# Altium PCB PCB_MotherBoard.PcbDoc (part 1 of 4) (continued)
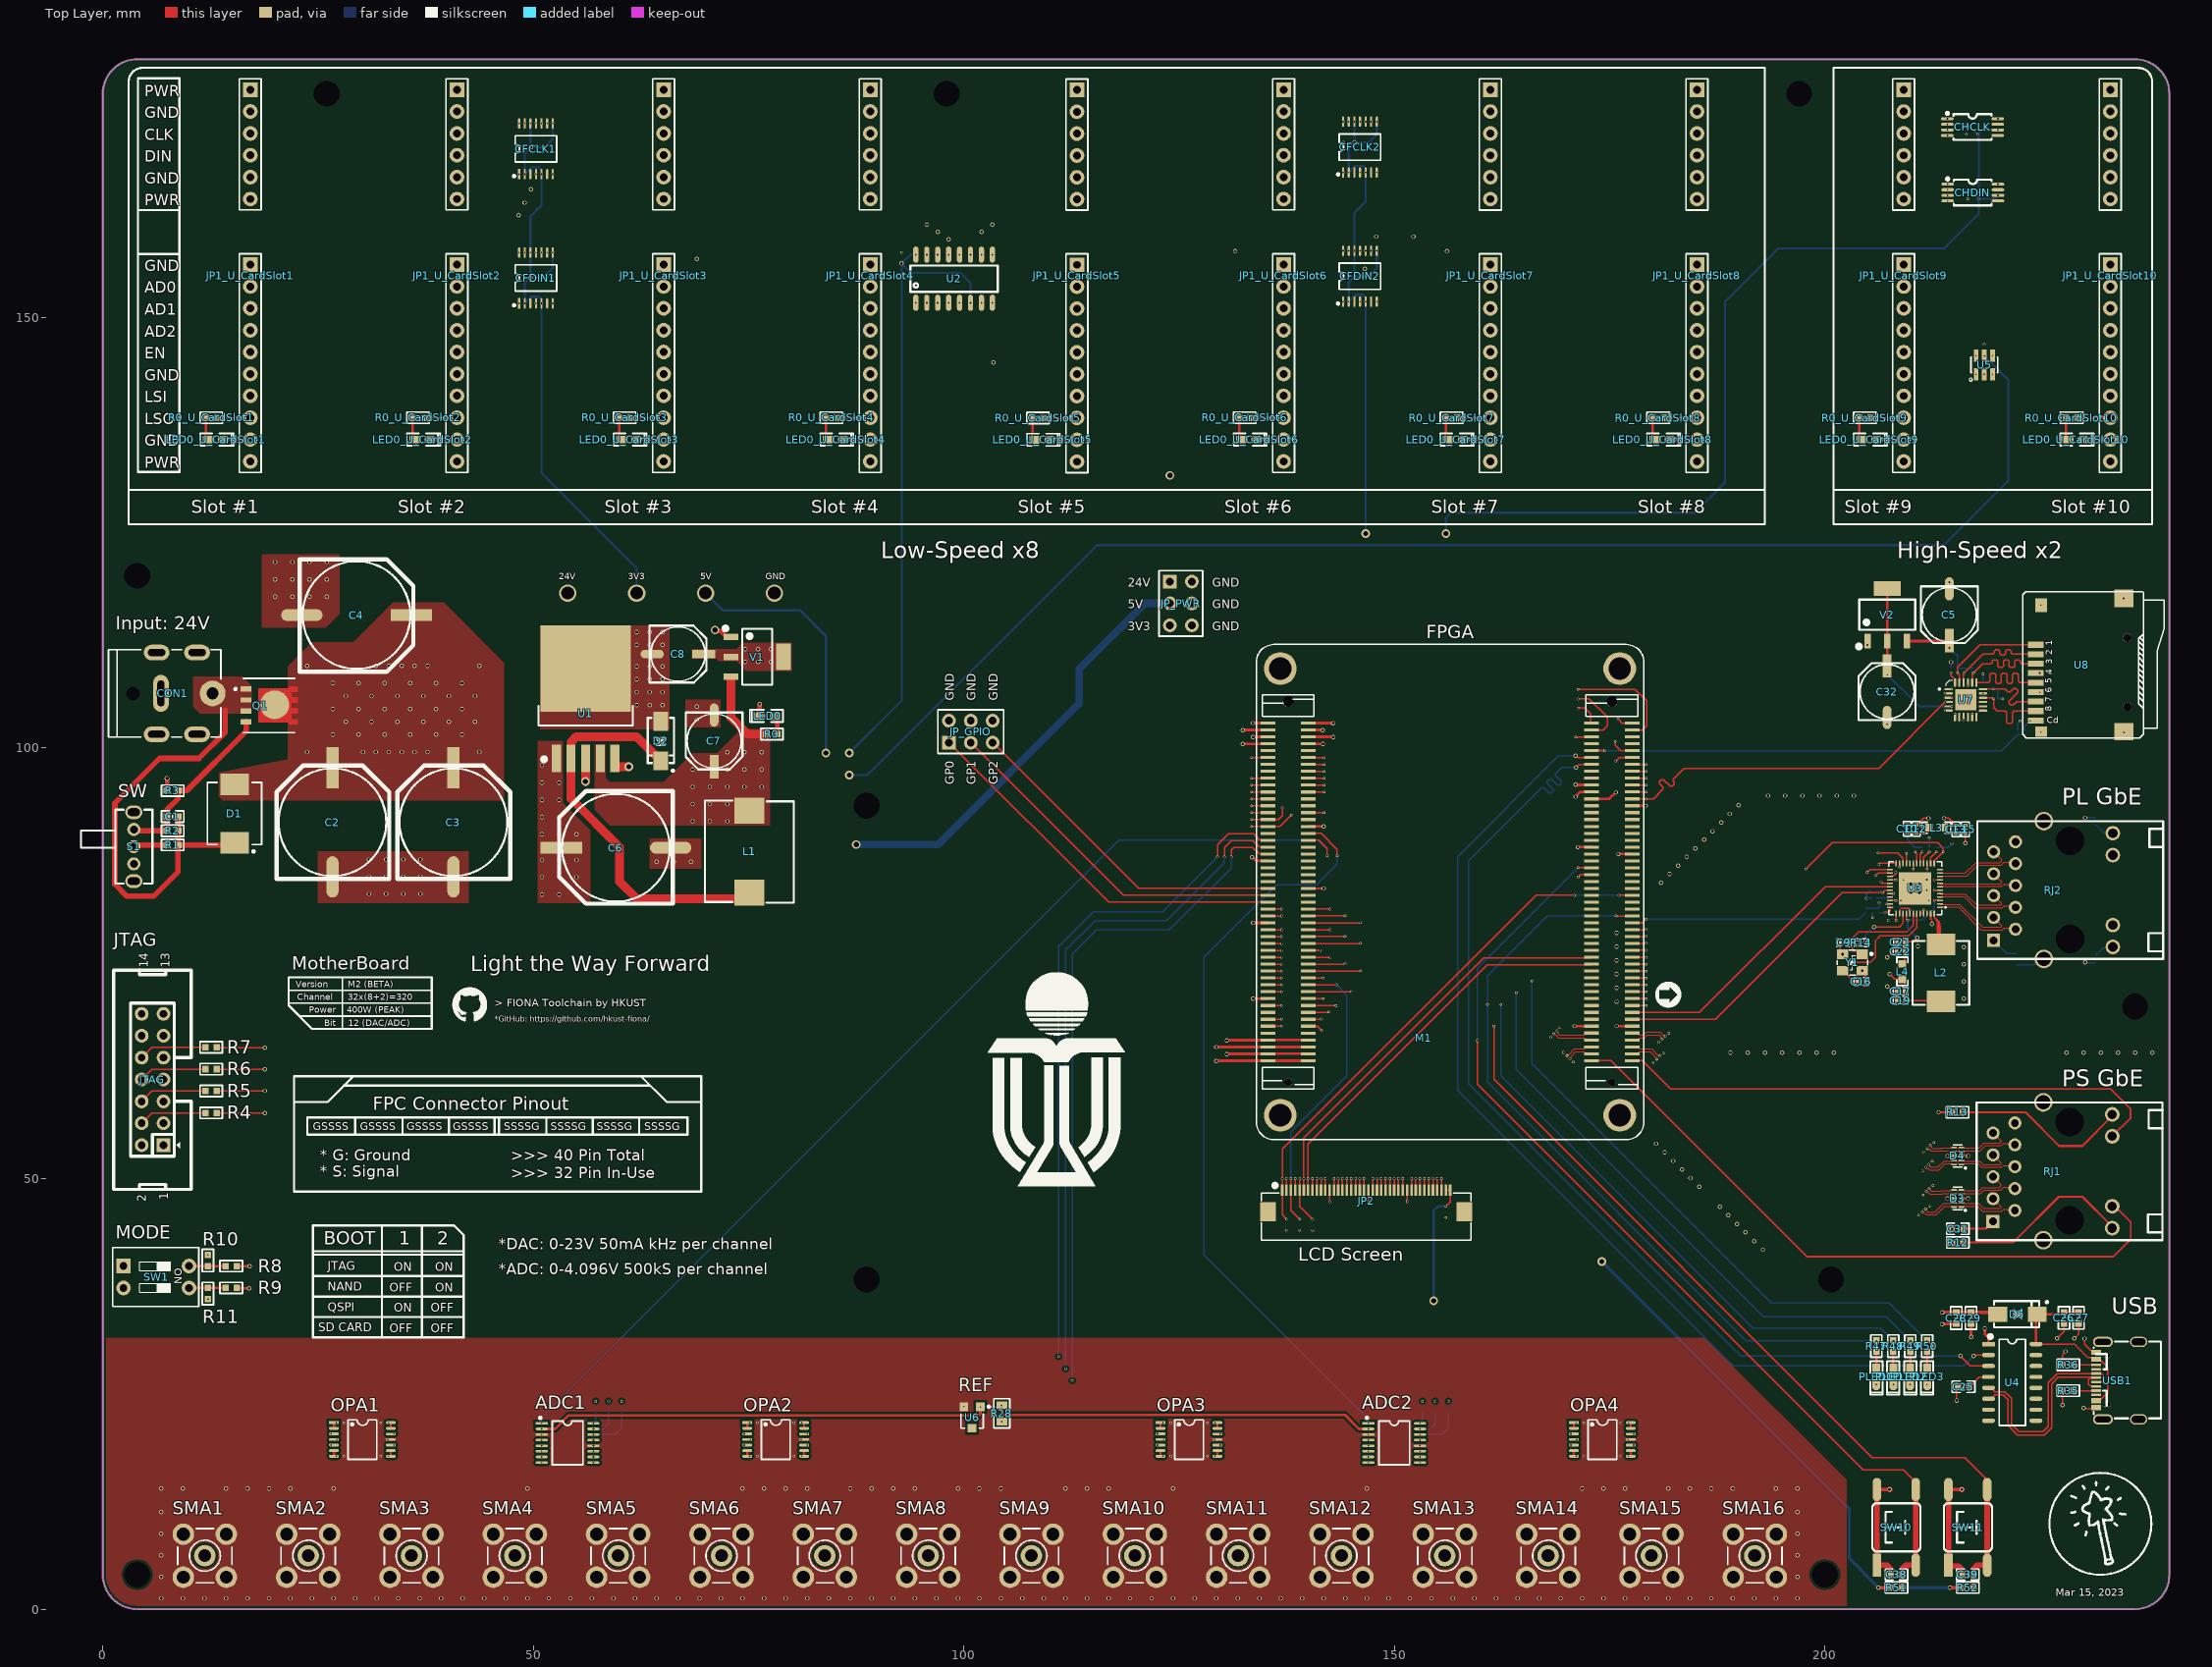
[diagram p0: Top Layer view]
## Classes and differential pairs
net class AIN: AIN1 AIN2 AIN3 AIN4 AIN5 AIN6 AIN7 AIN8
net class JTAG: FPGA_TCK FPGA_TDI FPGA_TDO FPGA_TMS
net class LCD_IIC: IIC_SCL IIC_SDA
net class LCD_BUS: LCD_B0 LCD_B1 LCD_B2 LCD_B3 LCD_B4 LCD_B5 LCD_B6 LCD_B7 LCD_BL LCD_CLK LCD_DE LCD_G0 LCD_G1 LCD_G2 LCD_G3 LCD_G4 LCD_G5 LCD_G6 LCD_G7 LCD_HSYNC LCD_R0 LCD_R1 LCD_R2 LCD_R3 LCD_R4 LCD_R5 LCD_R6 LCD_R7 LCD_RST LCD_VSYNC
net class SDI: SD_CLK SD_CMD SD_D0 SD_D1 SD_D2 SD_D3
net class SDO: SDAT0 SDAT1 SDAT2 SDAT3 SDCLK SDCMD
component class U_SD_Card: C5 C32 C33 C34 C35 R39 R40 R41 R42 R43 R44 R45 R46 U7 U8 V2
component class U_Misc: C38 C39 JP_GPIO JP_PWR PLED0 PLED1 PLED2 PLED3 R47 R48 R49 R50 R51 R52 SW10 SW11
component class U_LCD_Screen: C36 C37 JP2 R37 R38
net class UART: UART1_RXD UART1_TXD
net class PHY2_MDI: PHY2_MDI0_N PHY2_MDI0_P PHY2_MDI1_N PHY2_MDI1_P PHY2_MDI2_N PHY2_MDI2_P PHY2_MDI3_N PHY2_MDI3_P
net class PHY1_MDI: PHY1_MDI0_N PHY1_MDI0_P PHY1_MDI1_N PHY1_MDI1_P PHY1_MDI2_N PHY1_MDI2_P PHY1_MDI3_N PHY1_MDI3_P
net class RGMII_TX: RGMII_TXC RGMII_TXCTL RGMII_TXD0 RGMII_TXD1 RGMII_TXD2 RGMII_TXD3
net class RGMII_RX: RGMII_RXC RGMII_RXCTL RGMII_RXD0 RGMII_RXD1 RGMII_RXD2 RGMII_RXD3
net class HSDIN[9..10]: HSDIN9 HSDIN10
net class HSCLK[9..10]: HSCLK9 HSCLK10
net class LSDIN[1..8]: LSDIN1 LSDIN2 LSDIN3 LSDIN4 LSDIN5 LSDIN6 LSDIN7 LSDIN8
net class LSCLK[1..8]: LSCLK1 LSCLK2 LSCLK3 LSCLK4 LSCLK5 LSCLK6 LSCLK7 LSCLK8
channel class CardSlot: U_CardSlot1 U_CardSlot2 U_CardSlot3 U_CardSlot4 U_CardSlot5 U_CardSlot6 U_CardSlot7 U_CardSlot8 U_CardSlot9 U_CardSlot10
net class LEN[1..8]: LEN1 LEN2 LEN3 LEN4 LEN5 LEN6 LEN7 LEN8
net class HEN[9..10]: HEN9 HEN10
component class U_UART_TypeC: C25 C26 C27 C28 C29 D5 R35 R36 U4 USB1
component class U_PS_RJ45: C31 D3 D4 R12 R13 RJ1
component class U_PL_PHY_RJ45: C9 C10 C11 C12 C13 C14 C15 C16 C17 C18 C19 C20 C21 C22 C23 C30 L2 L3 L4 R14 R15 R16 R17 R18 R19 R20 R21 R22 R23 R24 R25 R26 R27 RJ2 U3 Y1
component class U_LowSpeedSlots_x8: C1LCLK C1LDIN C2LCLK C2LDIN C40 CFCLK1 CFCLK2 CFDIN1 CFDIN2 U2
component class U_HighSpeedSlots_x2: C1HCLK C1HDIN C41 CHCLK CHDIN U5
component class U_FPGA_Core: FPGA JTAG R4 R5 R6 R7 R8 R9 R10 R11 SW1
component class U_CardSlot10: JP1_U_CardSlot10 LED0_U_CardSlot10 R0_U_CardSlot10
component class U_CardSlot9: JP1_U_CardSlot9 LED0_U_CardSlot9 R0_U_CardSlot9
component class U_CardSlot8: JP1_U_CardSlot8 LED0_U_CardSlot8 R0_U_CardSlot8
component class U_CardSlot7: JP1_U_CardSlot7 LED0_U_CardSlot7 R0_U_CardSlot7
component class U_CardSlot6: JP1_U_CardSlot6 LED0_U_CardSlot6 R0_U_CardSlot6
component class U_CardSlot5: JP1_U_CardSlot5 LED0_U_CardSlot5 R0_U_CardSlot5
component class U_CardSlot4: JP1_U_CardSlot4 LED0_U_CardSlot4 R0_U_CardSlot4
component class U_CardSlot3: JP1_U_CardSlot3 LED0_U_CardSlot3 R0_U_CardSlot3
component class U_CardSlot2: JP1_U_CardSlot2 LED0_U_CardSlot2 R0_U_CardSlot2
component class U_CardSlot1: JP1_U_CardSlot1 LED0_U_CardSlot1 R0_U_CardSlot1
component class U_ADC_Array: ADC1 ADC2 C1LP C2LP C3LP C4LP C5LP C6LP C7LP C8LP C9LP C10LP C11LP C12LP C13LP C14LP C15LP C16LP C24 OPA1 OPA2 OPA3 OPA4 R28 R29 R30 R31 R32 R33 R34 SMA1 SMA2 SMA3 SMA4 SMA5 SMA6 SMA7 SMA8 SMA9 SMA10 SMA11 SMA12 SMA13 SMA14 SMA15 SMA16 U6
component class U_24V_Supply: C1 C2 C3 C4 CON1 D1 Q1 R1 R2 R3 S1
component class U_5V_and_3V3: C6 C7 C8 D2 L1 LED0 R0 U1 V1
differential pair USB_DP_90ohm: +CH340_P -CH340_N
differential pair PHY2_MDI3: +PHY2_MDI3_P -PHY2_MDI3_N
differential pair PHY2_MDI2: +PHY2_MDI2_P -PHY2_MDI2_N
differential pair PHY2_MDI1: +PHY2_MDI1_P -PHY2_MDI1_N
differential pair PHY2_MDI0: +PHY2_MDI0_P -PHY2_MDI0_N
differential pair PHY1_MDI3: +PHY1_MDI3_P -PHY1_MDI3_N
differential pair PHY1_MDI2: +PHY1_MDI2_P -PHY1_MDI2_N
differential pair PHY1_MDI1: +PHY1_MDI1_P -PHY1_MDI1_N
differential pair PHY1_MDI0: +PHY1_MDI0_P -PHY1_MDI0_N

## Components (designator, comment, footprint, x,y, rotation, side; value= is the part's Value field where it differs from the comment)
ADC1 "ADC128S102" TSSOP16_N 53.975,19.3 r0 top
ADC2 "ADC128S102" TSSOP16_N 149.975,19.3 r0 top
C1 "1uF" "C 0603_L" 8.1,92.05 r0 top
C1HCLK "105" "C 0603_L" 217.075,171.275 r0 bottom
C1HDIN "105" "C 0603_L" 217.225,163.8 r0 bottom
C1LCLK "105" "C 0603_L" 49.05,169.8 r0 bottom
C1LDIN "105" "C 0603_L" 49,154.65 r0 bottom
C1LP "33nF" "C 0402_L" 27.55,21.625 r0 bottom
C2 "680uF/35V" "CM G(12.5*13.5)" 26.67,91.389 r90 top
C2LCLK "105" "C 0603_L" 144.7,170.35 r0 bottom
C2LDIN "105" "C 0603_L" 144.65,154.775 r0 bottom
C2LP "33nF" "C 0402_L" 27.55,17.75 r180 bottom
C3 "680uF/35V" "CM G(12.5*13.5)" 40.716,91.389 r90 top
C3LP "33nF" "C 0402_L" 32.725,17.75 r0 bottom
C4 "680uF/35V" "CM G(12.5*13.5)" 29.464,115.443 r0 top
C4LP "33nF" "C 0402_L" 32.725,21.65 r180 bottom
C5 "220uF/16V" "CM D(6.3*7.7)" 214.441,115.484 r270 top
C5LP "33nF" "C 0402_L" 75.575,21.65 r0 bottom
C6 "680uF/35V" "CM G(12.5*13.5)" 59.597,88.425 r180 top
C6LP "33nF" "C 0402_L" 75.575,17.75 r180 bottom
C7 "220uF/16V" "CM D(6.3*7.7)" 70.997,100.825 r270 top
C7LP "33nF" "C 0402_L" 80.725,17.75 r0 bottom
C8 "220uF/16V" "CM D(6.3*7.7)" 66.797,110.914 r0 top
C8LP "33nF" "C 0402_L" 80.7,21.65 r180 bottom
C9 "6pF" "C 0402_L" 202.2,77.4 r180 top
C9LP "33nF" "C 0402_L" 123.575,21.65 r0 bottom
C10 "10uF" "C 0402_L" 209.55,90.602 r270 top
C10LP "33nF" "C 0402_L" 123.575,17.75 r180 bottom
C11 "100nF" "C 0402_L" 207.805,79.985 r0 bottom
C11LP "33nF" "C 0402_L" 128.725,17.75 r0 bottom
C12 "100nF" "C 0402_L" 210.617,90.602 r270 top
C12LP "33nF" "C 0402_L" 128.725,21.65 r180 bottom
C13 "10uF" "C 0402_L" 215.222,90.58 r270 top
C13LP "33nF" "C 0402_L" 171.55,21.65 r0 bottom
C14 "100nF" "C 0402_L" 212.275,83.49 r0 bottom
C14LP "33nF" "C 0402_L" 171.575,17.75 r180 bottom
C15 "100nF" "C 0402_L" 216.322,90.569 r270 top
C15LP "33nF" "C 0402_L" 176.75,17.75 r0 bottom
C16 "6pF" "C 0402_L" 204.2,72.9 r0 top
C16LP "33nF" "C 0402_L" 176.75,21.65 r180 bottom
C17 "10uF" "C 0402_L" 208.775,71.75 r0 top
C18 "100nF" "C 0402_L" 208.679,84.684 r180 bottom
C19 "100nF" "C 0402_L" 208.775,70.65 r0 top
C20 "10uF" "C 0402_L" 212.275,84.709 r0 bottom
C21 "100nF" "C 0402_L" 208.8,77.45 r0 top
C22 "100nF" "C 0402_L" 208.789,76.35 r0 top
C23 "100nF" "C 0201_L" 205.55,81.149 r90 bottom
C24 "2.2uF" "C 0805_L" 100.95,23.525 r180 bottom
C25 "0.1uF" "C 0603_L" 216.1,25.825 r0 top
C26 "104" "C 0603_L" 227.751,33.83 r90 top
C27 "10uF" "C 0603_L" 229.451,33.83 r90 top
C28 "104" "C 0603_L" 215.251,33.805 r90 top
C29 "10uF" "C 0603_L" 216.951,33.805 r90 top
C30 "0.1uF" "C 0603_L" 222.15,75.5 r270 bottom
C31 "0.1uF" "C 0603_L" 215.425,44.175 r180 top
C32 "220uF/16V" "CM D(6.3*7.7)" 207.213,106.553 r90 top
C33 "105" "C 0603_L" 225.577,108.712 r180 bottom
C34 "105" "C 0603_L" 216.611,106.604 r90 bottom
C35 "105" "C 0603_L" 218.364,106.97 r270 bottom
C36 "105" "C 0603_L" 137.475,44.65 r270 bottom
C37 "105" "C 0603_L" 155.975,46.15 r90 bottom
C38 "104" "C 0603_L" 208.3,4 r0 top
C39 "104" "C 0603_L" 216.6,4 r0 top
C40 "105" "C 0603_L" 92.775,156.9 r270 bottom
C41 "105" "C 0603_L" 218.5,146.225 r270 bottom
CFCLK1 "CDCLVC1106PWR" TSSOP14_L 50.299,169.6 r90 top
CFCLK2 "CDCLVC1106PWR" TSSOP14_L 145.999,169.8 r90 top
CFDIN1 "CDCLVC1106PWR" TSSOP14_L 50.299,154.6 r90 top
CFDIN2 "CDCLVC1106PWR" TSSOP14_L 145.999,154.8 r90 top
CHCLK "CDCLVC1103PWR" TSSOP-8-3mm 217.2,172.2 r270 top
CHDIN "CDCLVC1103PWR" TSSOP-8-3mm 217.225,164.6 r270 top
CON1 "5.5*2.1" DC-005P 7.25,106.35 r270 top
D1 "B530C-13-F" DIOD-SMC-2_V 15.3,92.4 r270 top
D2 "1N5824" SMA 64.797,100.806 r270 top
D3 "AZ1143" DFN-10_L2.5-W1.0-P0.50-BL-A 215.414,47.701 r90 top
D4 "AZ1143" DFN-10_L2.5-W1.0-P0.50-BL-A 215.414,52.625 r90 top
D5 "SS14" SMA 222.351,34.255 r0 top
FPGA "ZYNQ7010&7020" ZYNQ7010&7020_CB 140.016,97.644 r270 top
JP1_U_CardSlot1 "BoardConnector" HDR2.54-DIY16-N 17.125,170.12 r270 top (schematic designator JP1)
JP1_U_CardSlot2 "BoardConnector" HDR2.54-DIY16-N 41.125,170.12 r270 top (schematic designator JP1)
JP1_U_CardSlot3 "BoardConnector" HDR2.54-DIY16-N 65.125,170.12 r270 top (schematic designator JP1)
JP1_U_CardSlot4 "BoardConnector" HDR2.54-DIY16-N 89.125,170.12 r270 top (schematic designator JP1)
JP1_U_CardSlot5 "BoardConnector" HDR2.54-DIY16-N 113.125,170.095 r270 top (schematic designator JP1)
JP1_U_CardSlot6 "BoardConnector" HDR2.54-DIY16-N 137.125,170.12 r270 top (schematic designator JP1)
JP1_U_CardSlot7 "BoardConnector" HDR2.54-DIY16-N 161.143,170.115 r270 top (schematic designator JP1)
JP1_U_CardSlot8 "BoardConnector" HDR2.54-DIY16-N 185.143,170.115 r270 top (schematic designator JP1)
JP1_U_CardSlot9 "BoardConnector" HDR2.54-DIY16-N 209.143,170.115 r270 top (schematic designator JP1)
JP1_U_CardSlot10 "BoardConnector" HDR2.54-DIY16-N 233.143,170.115 r270 top (schematic designator JP1)
JP2 "FPC-0.5mm-40P" "FPC0.5 2H-WS-40P" 146.725,46.153 r0 top
JP_GPIO "Header3X2" HDR2.54-LI-2x3P 100.8,101.9 r0 top
JP_PWR "Header3X2" HDR2.54-LI-2x3P 125.2,116.8 r270 top
JTAG "Header 2X7" IDC2.54-LI-2x7P 7.051,53.889 r90 top
L1 "InductanceSMD" SMD-11.5x10.5 75.097,88.021 r90 top
L2 "Inductance SMD" IND-SMD_L7.6-W6.6 213.4,73.95 r270 top
L3 "120Ω@100MHz" "L 0603" 212.928,90.754 r0 top
L4 "120Ω@100MHz" "L 0603" 208.989,74.05 r90 top
LED0 "White" "LED 0603W" 77.197,103.725 r180 top
LED0_U_CardSlot1 "White" "LED 0603W" 13.125,135.823 r0 top (schematic designator LED0)
LED0_U_CardSlot2 "White" "LED 0603W" 37.125,135.823 r0 top (schematic designator LED0)
LED0_U_CardSlot3 "White" "LED 0603W" 61.125,135.823 r0 top (schematic designator LED0)
LED0_U_CardSlot4 "White" "LED 0603W" 85.125,135.823 r0 top (schematic designator LED0)
LED0_U_CardSlot5 "White" "LED 0603W" 109.125,135.799 r0 top (schematic designator LED0)
LED0_U_CardSlot6 "White" "LED 0603W" 133.125,135.823 r0 top (schematic designator LED0)
LED0_U_CardSlot7 "White" "LED 0603W" 157.143,135.818 r0 top (schematic designator LED0)
LED0_U_CardSlot8 "White" "LED 0603W" 181.143,135.818 r0 top (schematic designator LED0)
LED0_U_CardSlot9 "White" "LED 0603W" 205.143,135.818 r0 top (schematic designator LED0)
LED0_U_CardSlot10 "White" "LED 0603W" 229.143,135.818 r0 top (schematic designator LED0)
M1 "Full Fan Mini" "FULL FAN MINI" 153.41,66.31 r0 top
OPA1 "LM324PWR" TSSOP-14 30.15,19.7 r0 top
OPA2 "LM324PWR" TSSOP-14 78.15,19.7 r0 top
OPA3 "LM324PWR" TSSOP-14 126.15,19.7 r0 top
OPA4 "LM324PWR" TSSOP-14 174.15,19.7 r0 top
PLED0 "Green" "LED 0603G" 205.962,26.976 r270 top
PLED1 "Green" "LED 0603G" 207.928,26.976 r270 top
PLED2 "Green" "LED 0603G" 209.895,26.976 r270 top
PLED3 "Green" "LED 0603G" 211.862,26.976 r270 top
Q1 "SI7145DP-T1-GE3" FP-S17-0173-SINGLE-MFG 19.307,104.953 r0 top
R0 "510Ω" "R 0603_L" 77.7,101.625 r0 top
R0_U_CardSlot1 "510Ω" "R 0603_L" 12.622,138.37 r0 top (schematic designator R0)
R0_U_CardSlot2 "510Ω" "R 0603_L" 36.622,138.37 r0 top (schematic designator R0)
R0_U_CardSlot3 "510Ω" "R 0603_L" 60.622,138.37 r0 top (schematic designator R0)
R0_U_CardSlot4 "510Ω" "R 0603_L" 84.622,138.37 r0 top (schematic designator R0)
R0_U_CardSlot5 "510Ω" "R 0603_L" 108.622,138.345 r0 top (schematic designator R0)
R0_U_CardSlot6 "510Ω" "R 0603_L" 132.622,138.37 r0 top (schematic designator R0)
R0_U_CardSlot7 "510Ω" "R 0603_L" 156.64,138.365 r0 top (schematic designator R0)
R0_U_CardSlot8 "510Ω" "R 0603_L" 180.64,138.365 r0 top (schematic designator R0)
R0_U_CardSlot9 "510Ω" "R 0603_L" 204.64,138.365 r0 top (schematic designator R0)
R0_U_CardSlot10 "510Ω" "R 0603_L" 228.64,138.365 r0 top (schematic designator R0)
R1 "10Ω" "R 0603_L" 8.1,88.75 r0 top
R2 "50kΩ" "R 0603_L" 8.1,90.4 r0 top
R3 "100kΩ" "R 0603_L" 8.1,95.05 r0 top
R4 "33Ω" "R 0603_L" 12.586,57.629 r0 top
R5 "33Ω" "R 0603_L" 12.586,60.169 r0 top
R6 "33Ω" "R 0603_L" 12.586,62.709 r0 top
R7 "33Ω" "R 0603_L" 12.586,65.249 r0 top
R8 "10K" "R 0603_L" 14.91,39.84 r0 top
R9 "10K" "R 0603_L" 14.91,37.3 r0 top
R10 "20K" "R 0603_L" 12.21,40.49 r90 top
R11 "20K" "R 0603_L" 12.21,36.65 r270 top
R12 "510Ω" "R 0603_L" 215.425,42.575 r180 top
R13 "510Ω" "R 0603_L" 215.4,57.7 r180 top
R14 "10K" "R 0402_L" 204.25,77.4 r180 top
R15 "510Ω" "R 0402_L" 231.4,75.5 r270 bottom
R16 "510Ω" "R 0402_L" 231.4,91.5 r90 bottom
R17 "10K" "R 0201_L" 205.674,83.398 r0 bottom
R18 "10K" "R 0201_L" 208.483,82.296 r0 bottom
R19 "10K" "R 0201_L" 205.674,82.597 r0 bottom
R20 "10K" "R 0201_L" 208.35,81.5 r0 bottom
R21 "10K" "R 0201_L" 213.741,88.214 r270 bottom
R22 "10K" "R 0201_L" 212.115,88.214 r90 bottom
R23 "10K" "R 0201_L" 212.928,88.214 r270 bottom
R24 "10K" "R 0201_L" 211.302,88.214 r270 bottom
R25 "10K" "R 0201_L" 206.35,81.149 r270 bottom
R26 "10K" "R 0201_L" 210.49,88.214 r270 bottom
R27 "0Ω" "R 0201_L" 204.745,81.147 r270 bottom
R28 "1K" "R 0805_L" 104.4,22.725 r90 top
R29 "100Ω" "R 0603_L" 57.25,23.5 r90 bottom
R30 "100Ω" "R 0603_L" 58.75,23.5 r90 bottom
R31 "100Ω" "R 0603_L" 60.25,23.5 r90 bottom
R32 "100Ω" "R 0603_L" 153.25,23.5 r90 bottom
R33 "100Ω" "R 0603_L" 154.75,23.5 r90 bottom
R34 "100Ω" "R 0603_L" 156.25,23.5 r90 bottom
R35 "5.1K" "R 0603_L" 228.251,25.367 r0 top
R36 "5.1K" "R 0603_L" 228.251,28.367 r0 top
R37 "4.7K" "R 0603_L" 140.475,44.65 r270 bottom
R38 "4.7K" "R 0603_L" 138.975,44.65 r270 bottom
R39 "4.7K" "R 0201_L" 214.625,109 r270 bottom
R40 "4.7K" "R 0201_L" 217.25,109 r90 bottom
R41 "4.7K" "R 0201_L" 216.2,109 r90 bottom
R42 "4.7K" "R 0201_L" 215.4,109 r90 bottom
R43 "4.7K" "R 0201_L" 219.808,105.715 r0 bottom
R44 "4.7K" "R 0201_L" 219.808,106.883 r0 bottom
R45 "10K" "R 0201_L" 222.4,101.8 r90 bottom
R46 "330R" "R 0201_L" 223.2,101.8 r270 bottom
R47 "510Ω" "R 0603_L" 205.968,30.551 r90 top
R48 "510Ω" "R 0603_L" 207.935,30.551 r90 top
R49 "510Ω" "R 0603_L" 209.901,30.551 r90 top
R50 "510Ω" "R 0603_L" 211.868,30.551 r90 top
R51 "5.1K" "R 0603_L" 208.3,2.5 r180 top
R52 "5.1K" "R 0603_L" 216.6,2.5 r180 top
RJ1 "RJ45-LED" RJ-45A16 228.237,50.85 r90 top
RJ2 "RJ45-LED" RJ-45A16 228.308,83.507 r90 top
S1 "SS-12F23" SS-SG2 3.6,88.55 r180 top
SMA1 "SMA" SMA_FR 11.85,6.2 r180 top
SMA2 "SMA" SMA_FR 23.85,6.2 r180 top
SMA3 "SMA" SMA_FR 35.85,6.2 r180 top
SMA4 "SMA" SMA_FR 47.85,6.2 r180 top
SMA5 "SMA" SMA_FR 59.85,6.2 r180 top
SMA6 "SMA" SMA_FR 71.85,6.2 r180 top
SMA7 "SMA" SMA_FR 83.85,6.2 r180 top
SMA8 "SMA" SMA_FR 95.85,6.2 r180 top
SMA9 "SMA" SMA_FR 107.85,6.2 r180 top
SMA10 "SMA" SMA_FR 119.85,6.2 r180 top
SMA11 "SMA" SMA_FR 131.85,6.2 r180 top
SMA12 "SMA" SMA_FR 143.85,6.2 r180 top
SMA13 "SMA" SMA_FR 155.85,6.2 r180 top
SMA14 "SMA" SMA_FR 167.85,6.2 r180 top
SMA15 "SMA" SMA_FR 179.85,6.2 r180 top
SMA16 "SMA" SMA_FR 191.85,6.2 r180 top
SW1 "SW-2P" "CSW DIP-2P" 6.21,38.57 r270 top
SW10 "6x6x5" "TSW SMD-6*6*4.3" 208.3,9.5 r90 top
SW11 "6x6x5" "TSW SMD-6*6*4.3" 216.6,9.5 r90 top
U1 "LM2596S-5.0" TO263-5A 56.072,98.825 r0 top
U2 "MM74HC138M" SO16NB 94.42,151.712 r0 top
U3 "RTL8211E-VB-CG" QFN-48_L6.0-W6.0-P0.40 210.467,83.7 r90 top
U4 "CH340C" SOP16_L 221.751,26.33 r0 top
U5 "74LVC1G19" SOT23-6 218.5,144.5 r180 top
U6 "LM4040-41" SOT23-3 101.9,23.5 r180 top
U7 "TXS02612RTWR" QFN24_RTW 216.35,105.681 r0 top
U8 "Micro SD" "Micro SD" 234.702,101.901 r90 top
USB1 "USB Type-C 16Pin" USB-C-SMD-TAILOR 233.951,26.53 r90 top
V1 "AMS1117-3V3" SOT223_L 75.997,110.589 r270 top
V2 "AMS1117-1V8" SOT223_L 207.241,115.484 r0 top
Y1 "25M" XTAL-3225 203.2,75.1 r180 top

## Footprints (in the part's own frame and the unit in brackets; to place one, negate y for a bottom-side part, rotate by r counter-clockwise, add the part's x,y. Pads: shape width x height; smd on the part's side, far side on the other; paste and mask are expansions set on the pad)
"C 0201_L" [mm] "无极性贴片电容                               淘宝ID:黄晶宝石"
  rect 0.25x0.3 smd: 1(-0.25,0) 2(0.25,0)
  silkscreen extent -0.6,-0.35 0.6,0.35, body extent -0.3,-0.16 0.3,0.16, height 0.31
"C 0402_L" [mm] "无极性贴片电容         淘宝ID:黄晶宝石"
  rect 0.4x0.5 smd: 1(-0.45,0) 2(0.45,0)
  silkscreen extent -0.85,-0.45 0.85,0.45, body extent -0.5,-0.26 0.5,0.26, height 0.53
"C 0603_L" [mil] "无极性贴片电容                                       淘宝ID:黄晶宝石"
  rect 30x30 smd: 1(-25.59,0) 2(25.59,0)
  silkscreen extent -51,-26 51,26, body extent -31,-16 31,16, height 32
"C 0805_L" [mil] "无极性贴片电容                                        淘宝ID:黄晶宝石"
  rect 35x50 smd: 1(-37.4,0) 2(37.4,0)
  silkscreen extent -67,-36 67,36, body extent -39,-24 39,24, height 20
"CM D(6.3*7.7)" [mm] "贴片电解电容，直径6.3mm，高7.7mm         淘宝ID:黄晶宝石"
  rect 2.7x1 smd: 1(3,0)
  oval 2.7x1 smd: 2(-3,0)
  silkscreen extent -3.3,-3.3 3.3,3.3, body extent -3.5,-3.3 3.5,3.3, height 7.7
"CM G(12.5*13.5)" [mm] "贴片电解电容，直径12.5mm，高13.5mm        淘宝ID:黄晶宝石"
  rect 4.8x1.4 smd: 1(6.35,0)
  oval 4.8x1.4 smd: 2(-6.35,0)
  silkscreen extent -6.6,-6.6 6.6,6.5, body extent -7.15,-6.5 7.15,6.5, height 13.5
"CSW DIP-2P" [mm] "6.6*9.9*7mm"
  rect 1.7x1.7 hole 0.9: 1(-1.27,-3.81)
  round 1.7 hole 0.9: 2(1.27,-3.81) 3(1.27,3.81) 4(-1.27,3.81)
  silkscreen extent -3.43,-5.08 3.43,4.95, body extent -3.32,-4.95 3.32,4.95, height 6.65
DC-005P [mm] "13mm*10mm*10mm(长*宽*高)               淘宝ID:黄晶宝石"
  oval 1.8x3 hole 0.8 slot 2 at 90 deg: 0(-4.75,3.7) 0(-4.75,-1) 0(4.75,3.7) 0(4.75,-1)
  round 3 hole 1.4: 1(0,5.5)
  oval 4.3x1.8 hole 0.8 slot 3 at 0 deg: 2(0,-0.5)
  round 0 hole 1.6 unplated: 4(0,-3.75)
  silkscreen extent -5.08,-6.6 5.08,6.48, body extent -5,-6.5 5,6.3, height 10.15
DFN-10_L2.5-W1.0-P0.50-BL-A [mm]
  rect 0.201x0.632 smd mask+0.051: 1(-1.001,-0.411) 2(-0.5,-0.411) 4(0.5,-0.411) 5(1.001,-0.411) 6(1.001,0.411) 7(0.5,0.411) 9(-0.5,0.411) 10(-1.001,0.411)
  rect 0.399x0.632 smd mask+0.051: 3(0,-0.411) 8(0,0.411)
  silkscreen extent -1.5,-1 1.3,0.55, body extent -1.3,-0.5 1.3,0.5, height 0.25
DIOD-SMC-2_V [mm] "Molded Diode, 2-Leads, Body 7.11x6.22mm"
  rect 2.5x3.3 smd: 1(-3.4,0) 2(3.4,0)
  silkscreen extent -3.6,-3.15 4.52,3.15, body extent -3.77,-3.11 3.77,3.11, height 2.5
FP-S17-0173-SINGLE-MFG [mm]
  rect 1.27x0.61 smd paste+0 mask+0: 1(-2.67,1.905) 2(-2.67,0.635) 3(-2.67,-0.635) 4(-2.67,-1.905)
  round 3.356 smd paste+0 mask+0: 5-6-7-8(0.645,0.069)
  Top Layer region: -1.219,1.956 2.286,1.956 2.286,2.21 3.302,2.21 3.302,1.6 2.591,1.6 2.591,0.94 3.302,0.94 3.302,0.33 2.591,0.33 2.591,-0.33 3.302,-0.33 3.302,-0.94 2.591,-0.94 2.591,-1.6 3.302,-1.6 3.302,-2.21 2.286,-2.21 2.286,-1.956 -1.219,-1.956
  silkscreen extent -4.02,-3.15 3,3.15, body extent -3.4,-2.73 3.4,2.73, height 0.25
"FPC0.5 2H-WS-40P" [mm] "长：24.2mm，宽：5.2mm，高：2mm 淘宝ID:黄晶宝石   店铺网址:https://shop463601444.taobao.com"
  rect 1.8x2.2 smd: 0(-11.4,0) 0(11.4,0)
  rect 0.3x1.3 smd: 1(-9.75,2.497) 2(-9.25,2.497) 3(-8.75,2.497) 4(-8.25,2.497) 5(-7.75,2.497) 6(-7.25,2.497) 7(-6.75,2.497) 8(-6.25,2.497) 9(-5.75,2.497) 10(-5.25,2.497) 11(-4.75,2.497) 12(-4.25,2.497) 13(-3.75,2.497) 14(-3.25,2.497) 15(-2.75,2.497) 16(-2.25,2.497) 17(-1.75,2.497) 18(-1.25,2.497) 19(-0.75,2.497) 20(-0.25,2.497) 21(0.25,2.497) 22(0.75,2.497) 23(1.25,2.497) 24(1.75,2.497) 25(2.25,2.497) 26(2.75,2.497) 27(3.25,2.497) 28(3.75,2.497) 29(4.25,2.497) 30(4.75,2.497) 31(5.25,2.497) 32(5.75,2.497) 33(6.25,2.497) 34(6.75,2.497) 35(7.25,2.497) 36(7.75,2.497) 37(8.25,2.497) 38(8.75,2.497) 39(9.25,2.497) 40(9.75,2.497)
  silkscreen extent -12.17,-3.3 12.17,3.23, body extent -12.1,-3.15 12.1,2.85, height 2
"FULL FAN MINI" [mm]
  body extent -35.62,-35.62 35.63,35.63, height 27.12
HDR2.54-DIY16-N [mm] "10+6PIN"
  rect 1.7x1.7 hole 0.9: 1(-6.35,0) 7(13.97,0)
  round 1.7 hole 0.9: 2(-3.81,0) 3(-1.27,0) 4(1.27,0) 5(3.81,0) 6(6.35,0) 8(16.51,0) 9(19.05,0) 10(21.59,0) 11(24.13,0) 12(26.67,0) 13(29.21,0) 14(31.75,0) 15(34.29,0) 16(36.83,0)
  silkscreen extent -7.62,-1.27 38.1,1.27, body extent -7.62,-1.27 38.1,1.27, height 8.5
HDR2.54-LI-2x3P [mm] "封装库来自淘宝卖家 ID：黄晶宝石"
  rect 1.6x1.6 hole 0.9: 1(-2.54,-1.27)
  round 1.6 hole 0.9: 2(-2.54,1.27) 3(0,-1.27) 4(0,1.27) 5(2.54,-1.27) 6(2.54,1.27)
  silkscreen extent -3.81,-2.54 3.81,2.54, body extent -3.81,-2.54 3.81,2.54, height 8.5
IDC2.54-LI-2x7P [mm] "14P简易牛角座 淘宝ID:黄晶宝石   店铺网址:https://shop463601444.taobao.com"
  rect 1.6x1.6 hole 0.9: 1(0,0)
  round 1.6 hole 0.9: 2(0,2.54) 3(2.54,0) 4(2.54,2.54) 5(5.08,0) 6(5.08,2.54) 7(7.62,0) 8(7.62,2.54) 9(10.16,0) 10(10.16,2.54) 11(12.7,0) 12(12.7,2.54) 13(15.24,0) 14(15.24,2.54)
  silkscreen extent -5.14,-3.2 20.35,5.8, body extent -5.08,-3.08 20.32,5.77, height 9.17
IND-SMD_L7.6-W6.6 [mm] "L7.6mm * W6.6mm SMD"
  rect 2.499x3.299 smd mask+0.051: 1(-3.25,0.06) 2(3.354,0.06)
  silkscreen extent -3.65,-3.24 3.75,3.36, body extent -3.6,-3.2 3.8,3.4, height 0.6
"L 0603" [mil] "小功率贴片电感        淘宝ID:黄晶宝石"
  rect 35x35 smd: 1(-35,0) 2(35,0)
  silkscreen extent -65,-25 65,25, body extent -31,-16 31,16, height 31
"LED 0603G" [mil] "绿色0603LED                                   淘宝ID:黄晶宝石"
  rect 50x35 smd: 1(-35,0.26)
  oct 50x35 smd: 2(35,0.26)
  silkscreen extent -71,-28 81,28, body extent -31,-16 32,16, height 18
"LED 0603W" [mil] "白色0603LED                                        淘宝ID:黄晶宝石"
  rect 50x35 smd: 1(-35,0.26)
  oct 50x35 smd: 2(35,0.26)
  silkscreen extent -71,-28 81,28, body extent -31,-16 32,16, height 18
"Micro SD" [mm]
  rect 2.032x2.2 smd: 0(0,0) 0(15.5,0)
  rect 1.2x1.4 smd: 0(0,9.6)
  round 1 hole 1: 0(2.9,-0.4) 0(10.9,-0.4)
  rect 1.6x1.4 smd: 0(14.7,9.6)
  rect 0.7x1.8 smd: 1(10.1,10.227) 2(9,10.227) 3(7.9,10.227) 4(6.8,10.227) 5(5.7,10.227) 6(4.6,10.227) 7(3.5,10.227) 8(2.4,10.227) 9(1.3,10.227)
  silkscreen extent -0.72,-4.68 16.27,11.75, body extent -0.27,-4.63 16,10.57, height 1.8
QFN24_RTW [mm]
  oval 1x0.25 smd: 1(-2,1.169) 2(-2,0.67) 3(-2,0.169) 4(-2,-0.33) 5(-2,-0.831) 6(-2,-1.33) 13(2,-1.33) 14(2,-0.831) 15(2,-0.33) 16(2,0.169) 17(2,0.67) 18(2,1.169)
  oval 0.25x1 smd: 7(-1.25,-2.081) 8(-0.75,-2.081) 9(-0.25,-2.081) 10(0.25,-2.081) 11(0.75,-2.081) 12(1.25,-2.081) 19(1.25,1.919) 20(0.75,1.919) 21(0.25,1.919) 22(-0.25,1.919) 23(-0.75,1.919) 24(-1.25,1.919)
  rect 2.45x2.45 smd: 25(0,-0.081)
  silkscreen extent -3.15,1.06 -1.52,2.21
QFN-48_L6.0-W6.0-P0.40 [mm]
  rect 0.2x0.665 smd mask+0.051: 1(-2.2,-2.908) 2(-1.8,-2.908) 3(-1.4,-2.908) 4(-1,-2.908) 5(-0.6,-2.908) 6(-0.2,-2.908) 7(0.2,-2.908) 8(0.6,-2.908) 9(1,-2.908) 10(1.4,-2.908) 11(1.8,-2.908) 12(2.2,-2.908) 25(2.2,2.908) 26(1.8,2.908) 27(1.4,2.908) 28(1,2.908) 29(0.6,2.908) 30(0.2,2.908) 31(-0.2,2.908) 32(-0.6,2.908) 33(-1,2.908) 34(-1.4,2.908) 35(-1.8,2.908) 36(-2.2,2.908)
  rect 0.665x0.2 smd mask+0.051: 13(2.908,-2.2) 14(2.908,-1.8) 15(2.908,-1.4) 16(2.908,-1) 17(2.908,-0.6) 18(2.908,-0.2) 19(2.908,0.2) 20(2.908,0.6) 21(2.908,1) 22(2.908,1.4) 23(2.908,1.8) 24(2.908,2.2) 37(-2.908,2.2) 38(-2.908,1.8) 39(-2.908,1.4) 40(-2.908,1) 41(-2.908,0.6) 42(-2.908,0.2) 43(-2.908,-0.2) 44(-2.908,-0.6) 45(-2.908,-1) 46(-2.908,-1.4) 47(-2.908,-1.8) 48(-2.908,-2.2)
  rect 3.8x3.8 smd mask+0.051: 49(0,0)
  silkscreen extent -3.08,-3.61 3.08,3.08, body extent -3,-3 3,3, height 0.25
"R 0201_L" [mm] "1/20W贴片电阻        淘宝ID:黄晶宝石"
  rect 0.25x0.3 smd: 1(-0.25,0) 2(0.25,0)
  silkscreen extent -0.6,-0.35 0.6,0.35, body extent -0.3,-0.15 0.3,0.15, height 0.23
"R 0402_L" [mm] "1/16W贴片电阻     淘宝ID:黄晶宝石"
  rect 0.4x0.5 smd: 1(-0.4,0) 2(0.45,0)
  silkscreen extent -0.8,-0.45 0.85,0.45, body extent -0.5,-0.25 0.5,0.25, height 0.3
"R 0603_L" [mil] "1/10W贴片电阻                 淘宝ID:黄晶宝石"
  rect 30x30 smd: 1(-25.59,0) 2(25.59,0)
  silkscreen extent -51,-26 51,26, body extent -31,-16 32,16, height 16
"R 0805_L" [mil] "1/8W贴片电阻"
  rect 35x50 smd: 1(-37.4,0) 2(37.4,0)
  silkscreen extent -67,-36 67,36, body extent -39,-25 39,25, height 20
RJ-45A16 [mil] "网线接口"
  rect 60x60 hole 35.83 mask+2: 1(-229.63,343.49)
  round 60 hole 35.83 mask+2: 2(-179.1,243.25) 3(-125.2,343.25) 4(-79.1,243.25) 5(-25.2,343.25) 6(20.9,243.25) 7(74.8,343.25) 8(120.9,243.25) 9(174.8,343.25) 10(220.9,243.25)
  round 66.93 hole 43.31 mask+2: 11(-260,-201.75) 12(-160,-201.75) 13(160,-201.75) 14(260,-201.75)
  round 85 hole 65 mask+2: 15(-315,113.35) 16(315,113.35)
  round 60 hole 129.92 unplated: NPTH(-224.4,-6.75) NPTH(224.4,-6.75)
  Multi-Layer pour cut-out: -288.38,-6.75 -282.04,-34.51 -264.29,-56.77 -238.64,-69.13 -210.16,-69.13 -184.51,-56.77 -166.76,-34.51 -160.42,-6.75 -160.42,-6.75 -166.76,21 -184.51,43.26 -210.16,55.62 -238.64,55.62 -264.29,43.26 -282.04,21 -288.38,-6.75
  Multi-Layer pour cut-out: 160.42,-6.75 166.76,-34.51 184.51,-56.77 210.16,-69.13 238.64,-69.13 264.29,-56.77 282.04,-34.51 288.38,-6.75 288.38,-6.75 282.04,21 264.29,43.26 238.64,55.62 210.16,55.62 184.51,43.26 166.76,21 160.42,-6.75
  silkscreen extent -315,-432 315,418, body extent -314,-430 311,412, height 59
SMA [mm] "4.5x2.6*2.2mm（长宽高，不包括引脚）"
  rect 2.2x1.75 smd: 1(-2.3,0) 2(2.3,0)
  silkscreen extent -2.7,-1.52 3.56,1.52, body extent -2.53,-1.3 2.58,1.3, height 2.15
SMA_FR [mm] "SMA 90度射频天线座     淘宝ID:黄晶宝石"
  round 2.5 hole 1.5: 1(0,0) 2(-2.5,2.5) 2(2.5,2.5) 3(-2.5,-2.5) 3(2.5,-2.5)
  silkscreen extent -3.15,-3.15 3.15,3.15, body extent -3.5,-3.5 3.5,11.6, height 10.26
SMD-11.5x10.5 [mm] "L11.5mm * W10.5mm SMD"
  rect 3x3.5 smd mask+0.051: 1(-4.8,0) 2(4.7,0)
  silkscreen extent -5.97,-5.16 5.87,5.16, body extent -5.8,-5.1 5.8,5.1, height 1
SO16NB [mil] "封装库来自淘宝卖家 ID：黄晶宝石"
  oval 24x74 smd: 1(0,0) 2(50,0) 3(100,0) 4(150,0) 5(200,0) 6(250,0) 7(300,0) 8(350,0) 9(350,220) 10(300,220) 11(250,220) 12(200,220) 13(150,220) 14(100,220) 15(50,220) 16(0,220)
  silkscreen extent -25,50 375,170, body extent -19,-5 367,223, height 69
SOP16_L [mm] "10.3*6.2*1.8mm（长宽高）封装库来自淘宝卖家 ID：黄晶宝石"
  rect 1.5x0.5 smd: 1(-2.752,4.445)
  oval 1.5x0.5 smd: 2(-2.752,3.175) 3(-2.752,1.905) 4(-2.752,0.635) 5(-2.752,-0.635) 6(-2.752,-1.905) 7(-2.752,-3.175) 8(-2.752,-4.445) 9(2.752,-4.445) 10(2.752,-3.175) 11(2.752,-1.905) 12(2.752,-0.635) 13(2.752,0.635) 14(2.752,1.905) 15(2.752,3.175) 16(2.752,4.445)
  silkscreen extent -2.69,-5 1.52,5.49, body extent -3,-5 3,5, height 1.9
SOT23-3 [mm] "封装库来自淘宝卖家 ID：黄晶宝石"
  rect 1x1 smd: 1(0,0) 2(1.9,0) 3(0.95,2.5)
  silkscreen extent -1.13,-0.12 2.25,2.5, body extent -0.5,-0.15 2.4,2.65, height 1.2
SOT23-6 [mm] "SOT-23/SC-74A; 5 Leads; Body 3.1 x 3 mm, inc. leads (LxW max)"
  rect 0.55x1.45 smd: 1(0.95,1.075) 2(0,1.075) 3(-0.95,1.075) 4(-0.95,-1.075) 5(0,-1.075) 6(0.95,-1.075)
  silkscreen extent -1.55,-0.9 1.72,1.88, body extent -1.43,-1.2 1.49,1.14, height 1
SOT223_L [mm] "6.4x7x1.6mm(长宽高)"
  rect 0.75x1.7 smd: 1(-2.3,-3.048) 2(0,-3.048) 3(2.3,-3.048)
  rect 3.1x1.7 smd: 2(0,3.048)
  silkscreen extent -3.5,-3.88 3.25,1.75, body extent -3.25,-3.51 3.25,3.51, height 1.65
SS-SG2 [mil] "脚距2mm"
  oval 78.7x63 hole 35.4 slot 55.1 at 0 deg mask+2: 0(0,157.5) 0(0,-157.5)
  round 60 hole 36 mask+2: 1(0,-78.7) 2(0,0) 3(0,78.7)
  silkscreen extent -85,-169 242,169, body extent -85,-169 250,169, height 191
TO263-5A [mm] "263，5脚晶体管  封装库来自淘宝卖家 ID：黄晶宝石"
  rect 1.05x3.2 smd: 1(-3.4,0) 2(-1.7,0) 3(0,0) 4(1.7,0) 5(3.4,0)
  rect 10.45x10 smd: 3(0,10.414)
  silkscreen extent -5.46,-0.33 5.46,6.04, body extent -5,-0.01 5,13.32, height 4.5
TSSOP14_L [mm] "5*6.4*1mm（长宽高）封装库来自淘宝卖家 ID：黄晶宝石"
  rect 1.2x0.25 smd: 1(-2.95,1.95)
  oval 1.2x0.25 smd: 2(-2.95,1.3) 3(-2.95,0.65) 4(-2.95,0) 5(-2.95,-0.65) 6(-2.95,-1.3) 7(-2.95,-1.95) 8(2.95,-1.95) 9(2.95,-1.3) 10(2.95,-0.65) 11(2.95,0) 12(2.95,0.65) 13(2.95,1.3) 14(2.95,1.95)
  silkscreen extent -3.3,-2.41 1.52,2.67, body extent -3.2,-2.5 3.2,2.5, height 1.03
TSSOP16_N [mm] "5*6.4*1mm（长宽高） 封装库来自淘宝卖家 ID：黄晶宝石"
  rect 1.4x0.3 smd: 1(-3.004,2.275)
  oval 1.4x0.3 smd: 2(-3.004,1.625) 3(-3.004,0.975) 4(-3.004,0.325) 5(-3.004,-0.325) 6(-3.004,-0.975) 7(-3.004,-1.625) 8(-3.004,-2.275) 9(2.996,-2.275) 10(2.996,-1.625) 11(2.996,-0.975) 12(2.996,-0.325) 13(2.996,0.325) 14(2.996,0.975) 15(2.996,1.625) 16(2.996,2.275)
  silkscreen extent -3.3,-2.54 1.78,3.05, body extent -3.2,-2.5 3.2,2.5, height 1.03
TSSOP-8-3mm [mm]
  oval 0.353x1.454 smd mask+0.051: 1(-0.895,-2.987) 2(-0.244,-2.987) 3(0.406,-2.987) 4(1.056,-2.987) 5(1.056,2.867) 6(0.406,2.867) 7(-0.244,2.867) 8(-0.895,2.867)
  silkscreen extent -1.65,-3.14 1.58,2.14
TSSOP-14 [mm] "4.96x4.40x1.00 e=0.65 封装库来自淘宝卖家 ID：黄晶宝石"
  rect 1.143x0.33 smd: 1(-3.304,1.95)
  oval 1.143x0.33 smd: 2(-3.304,1.3) 3(-3.304,0.65) 4(-3.304,0) 5(-3.304,-0.65) 6(-3.304,-1.3) 7(-3.304,-1.95) 8(3.296,-1.95) 9(3.296,-1.3) 10(3.296,-0.65) 11(3.296,0) 12(3.304,0.629) 13(3.296,1.3) 14(3.304,1.95)
  silkscreen extent -1.67,-2.3 1.66,2.28, body extent -3.24,-2.5 3.19,2.5, height 1.01
"TSW SMD-6*6*4.3" [mm] "6*6*4.3mm"
  rect 2.7x1 smd: 1(-4.4,2.261)
  oval 2.7x1 smd: 2(-4.4,-2.239) 3(4.4,-2.239) 4(4.4,2.261)
  silkscreen extent -2.79,-2.79 2.79,2.79, body extent -4.5,-3 4.5,3, height 4.25
USB-C-SMD-TAILOR [mm]
  oval 1.2x2 hole 0.8 slot 1.6 at 90 deg: 0(-4.5,-2.475) 0(4.5,-2.475)
  oval 1.2x2.3 hole 0.7 slot 1.8 at 90 deg: 0(-4.5,1.675) 0(4.5,1.675)
  rect 0.3x1.15 smd: A1(-3.263,2.473) A4(-2.462,2.471) A5(-1.162,2.475) A6(-0.162,2.475) A7(0.337,2.473) A9(2.638,2.475) A12(3.438,2.475) B1(3.138,2.475) B4(2.337,2.475) B5(1.838,2.475) B6(0.838,2.475) B7(-0.663,2.473) B9(-2.162,2.471) B12(-2.963,2.473)
  rect 0.3x1.148 smd: A8(1.337,2.475) B8(-1.663,2.475)
  round 0.75 hole 0.75 unplated: ""(-2.803,1.175) ""(2.978,1.175)
  silkscreen extent -4.38,-5.08 4.56,2.75, body extent -4.34,-5.14 4.6,2.76, height 3.25
XTAL-3225 [mm]
  rect 1.3x1.1 smd: 1(-1.15,-0.95) 2(1.15,-0.95) 3(1.15,0.95) 4(-1.15,0.95)
  silkscreen extent -2.33,-1.45 1.75,1.45, body extent -1.6,-1.24 1.6,1.26, height 0.8
ZYNQ7010&7020_CB [mm]
  round 3.8 hole 2.6: 0(-11.591,36.148) 0(-11.591,-3.264) 0(40.28,36.148) 0(40.28,-3.264)
  rect 0.35x1.7 smd: J1_1(33.944,-4.7) J1_2(33.944,0) J1_3(33.144,-4.7) J1_4(33.144,0) J1_5(32.344,-4.7) J1_6(32.344,0) J1_7(31.544,-4.7) J1_8(31.544,0) J1_9(30.744,-4.7) J1_10(30.744,0) J1_11(29.944,-4.7) J1_12(29.944,0) J1_13(29.144,-4.7) J1_14(29.144,0) J1_15(28.344,-4.7) J1_16(28.344,0) J1_17(27.544,-4.7) J1_18(27.544,0) J1_19(26.744,-4.7) J1_20(26.744,0) J1_21(25.944,-4.7) J1_22(25.944,0) J1_23(25.144,-4.7) J1_24(25.144,0) J1_25(24.344,-4.7) J1_26(24.344,0) J1_27(23.544,-4.7) J1_28(23.544,0) J1_29(22.744,-4.7) J1_30(22.744,0) J1_31(21.944,-4.7) J1_32(21.944,0) J1_33(21.144,-4.7) J1_34(21.144,0) J1_35(20.344,-4.7) J1_36(20.344,0) J1_37(19.544,-4.7) J1_38(19.544,0) J1_39(18.744,-4.7) J1_40(18.744,0) J1_41(17.944,-4.7) J1_42(17.944,0) J1_43(17.144,-4.7) J1_44(17.144,0) J1_45(16.344,-4.7) J1_46(16.344,0) J1_47(15.544,-4.7) J1_48(15.544,0) J1_49(14.744,-4.7) J1_50(14.744,0) J1_51(13.944,-4.7) J1_52(13.944,0) J1_53(13.144,-4.7) J1_54(13.144,0) J1_55(12.344,-4.7) J1_56(12.344,0) J1_57(11.544,-4.7) J1_58(11.544,0) J1_59(10.744,-4.7) J1_60(10.744,0) J1_61(9.944,-4.7) J1_62(9.944,0) J1_63(9.144,-4.7) J1_64(9.144,0) J1_65(8.344,-4.7) J1_66(8.344,0) J1_67(7.544,-4.7) J1_68(7.544,0) J1_69(6.744,-4.7) J1_70(6.744,0) J1_71(5.944,-4.7) J1_72(5.944,0) J1_73(5.144,-4.7) J1_74(5.144,0) J1_75(4.344,-4.7) J1_76(4.344,0) J1_77(3.544,-4.7) J1_78(3.544,0) J1_79(2.744,-4.7) J1_80(2.744,0) J1_81(1.943,-4.7) J1_82(1.943,0) J1_83(1.143,-4.7) J1_84(1.143,0) J1_85(0.343,-4.7) J1_86(0.343,0) J1_87(-0.457,-4.7) J1_88(-0.457,0) J1_89(-1.257,-4.7) J1_90(-1.257,0) J1_91(-2.057,-4.7) J1_92(-2.057,0) J1_93(-2.857,-4.7) J1_94(-2.857,0) J1_95(-3.657,-4.7) J1_96(-3.657,0) J1_97(-4.457,-4.7) J1_98(-4.457,0) J1_99(-5.257,-4.7) J1_100(-5.257,0) J2_1(33.943,32.884) J2_2(33.943,37.584) J2_3(33.144,32.884) J2_4(33.144,37.584) J2_5(32.343,32.884) J2_6(32.343,37.584) J2_7(31.544,32.884) J2_8(31.544,37.584) J2_9(30.744,32.884) J2_10(30.744,37.584) J2_11(29.944,32.884) J2_12(29.944,37.584) J2_13(29.144,32.884) J2_14(29.144,37.584) J2_15(28.344,32.884) J2_16(28.344,37.584) J2_17(27.544,32.884) J2_18(27.544,37.584) J2_19(26.744,32.884) J2_20(26.744,37.584) J2_21(25.944,32.884) J2_22(25.944,37.584) J2_23(25.144,32.884) J2_24(25.144,37.584) J2_25(24.344,32.884) J2_26(24.344,37.584) J2_27(23.544,32.884) J2_28(23.544,37.584) J2_29(22.744,32.884) J2_30(22.744,37.584) J2_31(21.943,32.884) J2_32(21.943,37.584) J2_33(21.144,32.884) J2_34(21.144,37.584) J2_35(20.344,32.884) J2_36(20.344,37.584) J2_37(19.544,32.884) J2_38(19.544,37.584) J2_39(18.744,32.884) J2_40(18.744,37.584) J2_41(17.943,32.884) J2_42(17.943,37.584) J2_43(17.144,32.884) J2_44(17.144,37.584) J2_45(16.344,32.884) J2_46(16.344,37.584) J2_47(15.544,32.884) J2_48(15.544,37.584) J2_49(14.744,32.884) J2_50(14.744,37.584) J2_51(13.944,32.884) J2_52(13.944,37.584) J2_53(13.144,32.884) J2_54(13.144,37.584) J2_55(12.344,32.884) J2_56(12.344,37.584) J2_57(11.544,32.884) J2_58(11.544,37.584) J2_59(10.744,32.884) J2_60(10.744,37.584) J2_61(9.942,32.884) J2_62(9.942,37.584) J2_63(9.143,32.884) J2_64(9.143,37.584) J2_65(8.343,32.884) J2_66(8.343,37.584) J2_67(7.543,32.884) J2_68(7.543,37.584) J2_69(6.743,32.884) J2_70(6.743,37.584) J2_71(5.943,32.884) J2_72(5.943,37.584) J2_73(5.143,32.884) J2_74(5.143,37.584) J2_75(4.343,32.884) J2_76(4.343,37.584) J2_77(3.543,32.884) J2_78(3.543,37.584) J2_79(2.743,32.884) J2_80(2.743,37.584) J2_81(1.941,32.884) J2_82(1.941,37.584) J2_83(1.142,32.884) J2_84(1.142,37.584) J2_85(0.342,32.884) J2_86(0.342,37.584) J2_87(-0.458,32.884) J2_88(-0.458,37.584) J2_89(-1.258,32.884) J2_90(-1.258,37.584) J2_91(-2.058,32.884) J2_92(-2.058,37.584) J2_93(-2.858,32.884) J2_94(-2.858,37.584) J2_95(-3.658,32.884) J2_96(-3.658,37.584) J2_97(-4.458,32.884) J2_98(-4.458,37.584) J2_99(-5.258,32.884) J2_100(-5.258,37.584)
  round 1.3 hole 1.3 unplated: ""(-7.781,35.234) ""(-7.781,-2.35)
  round 0.9 hole 0.9 unplated: ""(36.47,35.234) ""(36.47,-2.35)
  silkscreen extent -14.39,-6.06 43.11,43.28